# Allegro board com_v1_p3.brd (continued)
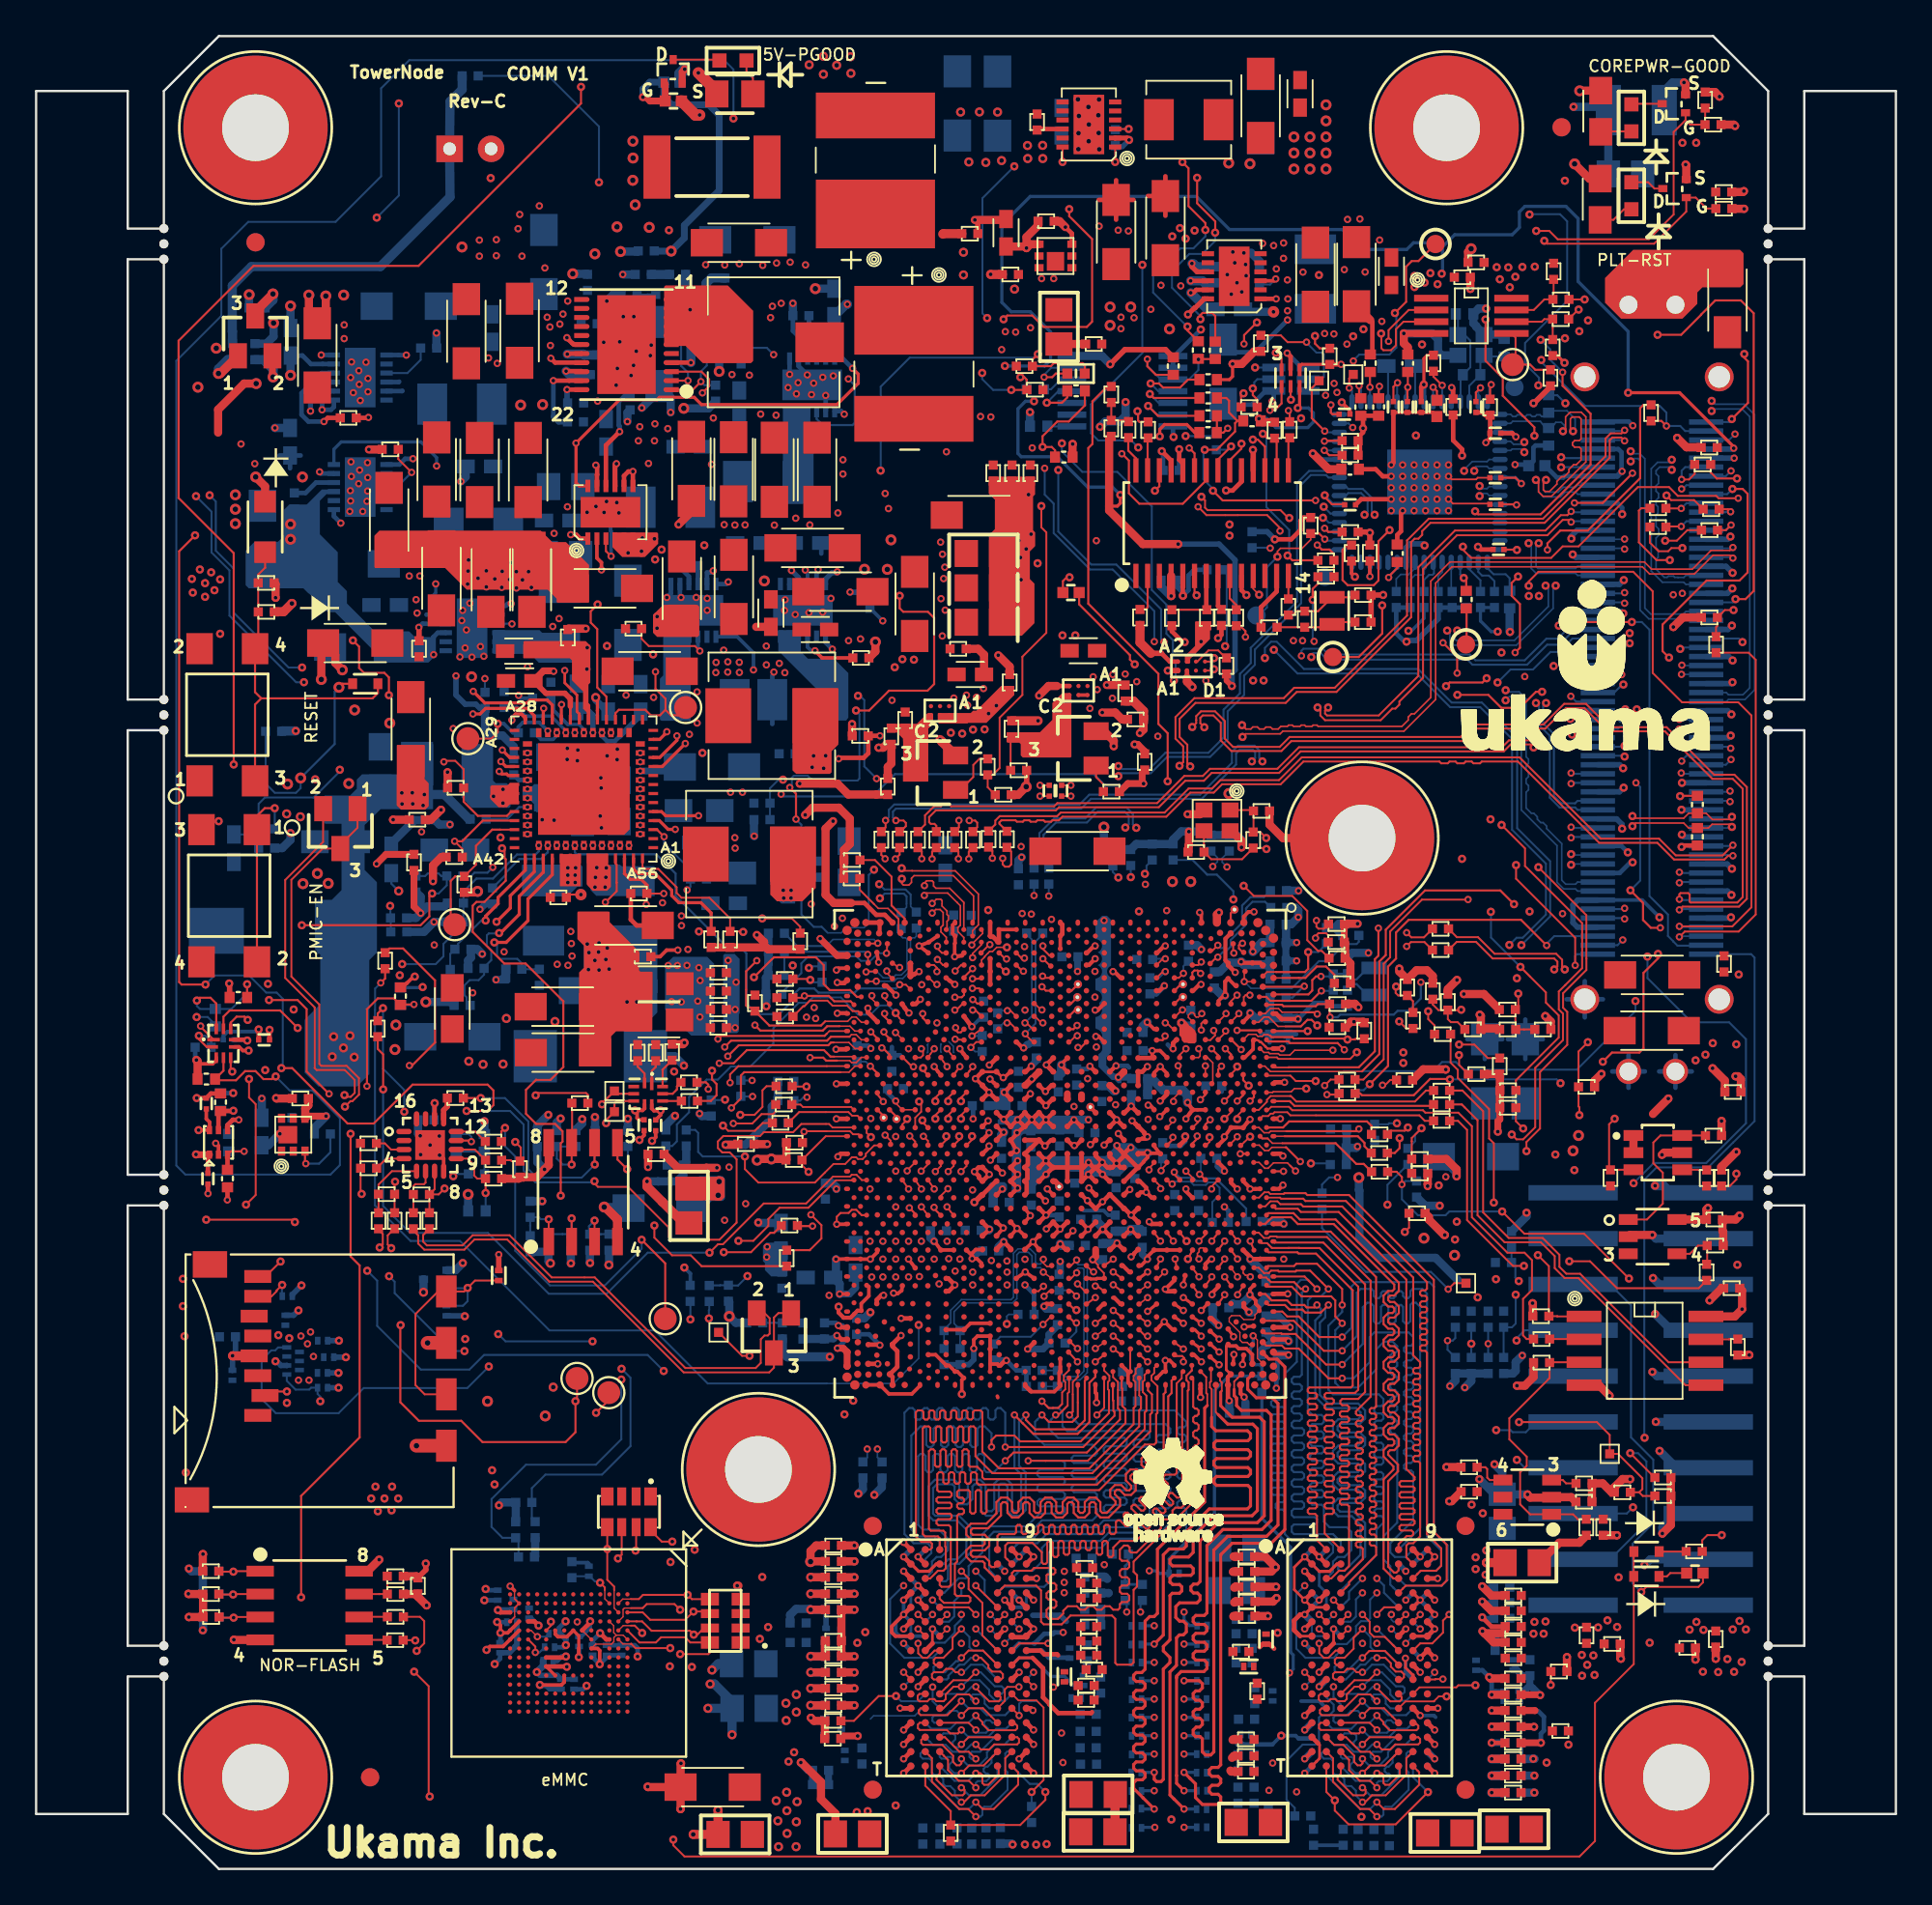
[diagram p0: board, top side]
## Nets (continued)
GND: C1A3.2(B[0]) C1A4.2(B[0]) C1A5.2(B[0]) C1B1.2(B[0]) C1B2.1(A[0]) C1B4.2(B[0]) C1B7.2(B[0]) C1D2.2(B[0]) C1L11.2(B[0]) C1N3.2(B[0]) C1N7.2(B[0]) C1N8.2(B[0]) C1N9.2(B[0]) C1N10.2(B[0]) C2A1.2(B[0]) C2A3.1(A[0]) C2A9.2(B[0]) C2A10.2(B[0]) C2A11.2(B[0]) C2A12.2(B[0]) C2A13.2(B[0]) C2A14.2(B[0]) C2A15.2(B[0]) C2A16.2(B[0]) C2A17.2(B[0]) C2B1.1(A[0]) C2B2.2(B[0]) C2B3.2(B[0]) C2B4.2(B[0]) C2B5.2(B[0]) C2B6.2(B[0]) C2B7.2(B[0]) C2B8.2(B[0]) C2B9.2(B[0]) C2B10.2(B[0]) C2B13.2(B[0]) C2B14.1(A[0]) C2B15.1(A[0]) C2B16.2(B[0]) C2B17.2(B[0]) C2B18.2(B[0]) C2B19.2(B[0]) C2B20.2(B[0]) C2B21.2(B[0]) C2B22.2(B[0]) C2B23.2(B[0]) C2B24.2(B[0]) C2B25.2(B[0]) C2B34.2(B[0]) C2B35.2(B[0]) C2B36.2(B[0]) C2B37.2(B[0]) C2B39.2(B[0]) C2B40.2(B[0]) C2B41.1(A[0]) C2B42.2(B[0]) C2B43.2(B[0]) C2B45.1(A[0]) C2B46.1(A[0]) C2B47.1(A[0]) C2B48.1(A[0]) C2B49.1(A[0]) C2B50.1(A[0]) C2B51.2(B[0]) C2B52.2(B[0]) C2B55.2(B[0]) C2B56.1(A[0]) C2C1.2(B[0]) C2C2.2(B[0]) C2C3.2(B[0]) C2C7.2(A[0]) C2C8.2(B[0]) C2C12.2(B[0]) C2L14.2(B[0]) C2L16.1(A[0]) C2M10.2(B[0]) C2M11.1(A[0]) C2M12.2(A[0]) C2M13.2(B[0]) C2M14.2(B[0]) C2M15.2(B[0]) C2M16.1(B[0]) C2M17.2(B[0]) C2M18.2(B[0]) C2M19.2(B[0]) C2M20.2(B[0]) C2M22.2(B[0]) C2M23.1(A[0]) C2N1.1(B[0]) C2N2.2(B[0]) C2N3.2(A[0]) C2N4.2(B[0]) C2N5.2(B[0]) C2N6.2(A[0]) C2N7.2(B[0]) C2N8.2(B[0]) C2N9.1(B[0]) C2N10.2(B[0]) C2N11.1(B[0]) C2N12.2(B[0]) C2N13.2(B[0]) C2N14.2(B[0]) C2N15.2(B[0]) C2N16.1(A[0]) C2N17.2(B[0]) C2N18.2(B[0]) C2N19.2(B[0]) C2N22.2(B[0]) C2N23.2(B[0]) C2N24.2(B[0]) C2N25.2(B[0]) C2N26.2(B[0]) C2N27.2(B[0]) C2N28.2(B[0]) C2N31.2(B[0]) C2N32.2(B[0]) C2N33.2(B[0]) C2N34.2(B[0]) C2N36.2(B[0]) C2N37.2(B[0]) C2N38.2(B[0]) C2N39.2(B[0]) C2N40.2(B[0]) C2N41.2(B[0]) C2N43.2(B[0]) C2N44.2(B[0]) C2N45.2(B[0]) C2N46.2(B[0]) C2N47.2(B[0]) C2P3.2(B[0]) C3A10.2(B[0]) C3A12.2(B[0]) C3A13.2(B[0]) C3A14.2(B[0]) C3A22.2(B[0]) C3A23.2(B[0]) C3A24.2(B[0]) C3A25.2(B[0]) C3A26.2(B[0]) C3A27.2(B[0]) C3A28.2(B[0]) C3B12.2(B[0]) C3B14.2(B[0]) C3B15.2(B[0]) C3B16.2(B[0]) C3B17.2(B[0]) C3B18.2(B[0]) C3B20.2(B[0]) C3B21.2(B[0]) C3B22.2(B[0]) C3B23.2(B[0]) C3B25.2(B[0]) C3B26.2(B[0]) C3B32.2(B[0]) C3B33.2(B[0]) C3B34.2(B[0]) C3B35.2(B[0]) C3B36.2(B[0]) C3C1.2(B[0]) C3L4.2(B[0]) C3L5.1(A[0]) C3L7.2(B[0]) C3L10.2(B[0]) C3L12.2(B[0]) C3L14.2(B[0]) C3L17.1(A[0]) C3L18.2(B[0]) C3L19.2(B[0]) C3L20.2(B[0]) C3L21.2(B[0]) C3L22.2(B[0]) C3L23.2(B[0]) C3M1.2(B[0]) C3M3.2(B[0]) C3M5.2(B[0]) C3M6.2(B[0]) C3M7.2(B[0]) C3M8.2(B[0]) C3M9.2(B[0]) C3M10.2(B[0]) C3M11.2(B[0]) C3M12.2(B[0]) C3M13.2(B[0]) C3M14.1(A[0]) C3M15.2(B[0]) C3M17.2(B[0]) C3M18.1(A[0]) C3M19.2(B[0]) C3M20.1(A[0]) C3M21.1(A[0]) C3M22.2(B[0]) C3M23.2(B[0]) C3M24.1(A[0]) C3M25.2(B[0]) C3M26.2(B[0]) C3M27.2(B[0]) C3M28.2(B[0]) C3M29.2(B[0]) C3M30.2(B[0]) C3M31.2(B[0]) C3M32.1(B[0]) C3M33.2(B[0]) C3M179.2(B[0]) C3M180.2(B[0]) C3M181.2(B[0]) C3N1.2(B[0]) C3N2.1(A[0]) C3N3.1(B[0]) C3N4.2(B[0]) C3N6.2(B[0]) C3N7.2(A[0]) C3N8.2(A[0]) C3N9.2(B[0]) C3N11.2(B[0]) C3N12.2(B[0]) C3N13.2(B[0]) C3N14.2(B[0]) C3N16.1(B[0]) C3N18.2(B[0]) C3N20.2(B[0]) C3N21.1(B[0]) C3N23.2(B[0]) C3N24.2(B[0]) C3N25.2(B[0]) C3N26.2(B[0]) C3N27.2(B[0]) C3N28.2(B[0]) C3N29.2(B[0]) C3N30.2(B[0]) C3N31.2(B[0]) C4.2 C4A10.2(B[0]) C4A11.2(B[0]) C4L4.1(A[0]) C4L5.1(A[0]) C4L6.1(A[0]) C4M2.2(B[0]) C4M6.1(A[0]) C4M7.2(B[0]) C4M9.2(B[0]) C4M10.1(A[0]) C4P5.2(B[0]) C4P10.2(B[0]) C4P18.1(A[0]) C4P19.2(B[0]) C4P21.2(B[0]) C4P24.2(B[0]) C4P25.2(B[0]) C5.2 C6.2 C7.2 C18.2 C27.2 C31.2 C34.2 C37.2 C39.2 C42.2 C69.2 C70.1 C91.2 C92.2 C129.2 C134.2 C139.1 C140.2 C151.2 C164.1 C165.1 C167.2 C168.2 C169.2 C170.2 C171.2 C172.2 C175.2 C176.2 C177.2 C180.2 C181.1 C182.2 C183.2 C184.2 C185.2 C186.2 C188.2 C189.2 C191.2 C202.1 C203.1 C208.2 C209.2 C210.2 C211.2 C212.2 C213.2 C220.2 C221.2 C222.2 C223.2 C224.1 C228.2 C230.2 C231.2 C232.2 C233.2 C234.2 C235.2 C236.2 C243.1 C244.1 C248.2 C249.2 C250.2 C252.2 C253.2 C256.2 C257.2 C258.2 C259.2 C262.2 C264.1 C265.2 C266.2 C267.2 C268.2 C269.2 C270.2 C271.2 C279.1 C280.1 C281.2 C282.2 C283.2 C284.2 C285.2 C286.2 C292.2 C293.2 C294.2 C295.2 C296.2 C297.2 C301.1 C308.2 C309.2 C310.2 C311.2 C313.2 C314.2 C315.2 C324.1 C325.1 C342.2 C343.2 C344.2 C345.2 C346.2 C347.2 C348.2 C349.2 C350.2 C351.2 C352.2 C1918.2(B[0]) C2034.2(B[0]) C2036.2(B[0]) C2037.2(B[0]) C2038.2(B[0]) C2039.2(B[0]) C2040.2(B[0]) C2130.2(B[0]) C2131.2(B[0]) C2132.2(B[0]) C2152.2(B[0]) C2158.2 C2159.2 C4662.2 C4745.2 C4746.2 C4747.2(B[0]) C4749.2 C4750.2 C4751.2 C4752.2 CN1.6(VSS) CN1.11(SHIELD1) CN1.12(SHIELD2) CN1.13(SHIELD3) CN1.14(SHIELD4) D1.3 J20.4 J20.7 J20.10 J20.13 J20.16 J20.19 J20.22 J20.25 J20.28 J20.39 J20.42 J20.45 J20.48 J20.51 J20.54 J20.57 J20.60 J20.65 J20.68 J20.71 J20.74 J20.77 J20.80 J20.85 J20.88 J20.91 J20.94 J20.97 J20.101 J20.104 J20.107 J20.G1 J20.G2 J20.G3 J20.G4 J3321.4 J3321.6 J3321.8 J3321.10 J3321.12 J3321.14 J3321.16 J3321.18 J3321.20 MH1.1 MH2.1 MH3.1 MH4.1 MH5.1 MH6.1 Q2B1.2(E) Q2N1.1(S1) Q2N1.4(S2) Q3B1.2(E) Q135.S Q137.S Q138.S R1A7.2(B[0]) R1A8.2(B[0]) R1A9.2(B[0]) R1A10.2(B[0]) R1A11.2(B[0]) R1A12.2(B[0]) R1A15.2(B[0]) R1B2.2(B[0]) R2A15.2(B[0]) R2B1.2(B[0]) R2B2.2(B[0]) R2B15.2(B[0]) R2B19.2(B[0]) R2B43.2(B[0]) R2B44.2(B[0]) R2B45.2(B[0]) R2C25.2(B[0]) R2C26.2(B[0]) R2L12.2(B[0]) R2M24.2(B[0]) R2M30.2(B[0]) R2M31.2(B[0]) R2M32.2(B[0]) R2M33.2(B[0]) R2M34.2(B[0]) R2M38.2(B[0]) R2M40.2(B[0]) R2M41.2(B[0]) R2M45.2(B[0]) R2M58.2(B[0]) R2M59.2(B[0]) R2N5.2(B[0]) R2N7.1(A[0]) R2N12.2(B[0]) R2N14.2(B[0]) R2N15.2(B[0]) R2N16.2(B[0]) R2N18.2(B[0]) R2N19.2(B[0]) R3B8.1(A[0]) R3B10.1(A[0]) R3B11.2(B[0]) R3B12.1(A[0]) R3B13.1(A[0]) R3B14.2(A[0]) R3B15.2(B[0]) R3C5.2(B[0]) R3C17.2(B[0]) R3L8.2(B[0]) R3L11.2(B[0]) R3L13.2(B[0]) R3L14.2(B[0]) R3L15.2(B[0]) R3L16.2(B[0]) R3M1.2(B[0]) R3M4.2(B[0]) R3M7.2(B[0]) R3M11.2(B[0]) R3N6.1(A[0]) R3N15.2(B[0]) R3N16.2(B[0]) R3N20.1(A[0]) R3N25.2(B[0]) R3N28.2(B[0]) R3N29.2(B[0]) R3N30.2(B[0]) R4A12.2(B[0]) R4A13.2(B[0]) R4L2.2(B[0]) R4M6.2(B[0]) R4M17.2(B[0]) R4M20.2(B[0]) R4M21.2(B[0]) R4M24.2(B[0]) R4P6.2(B[0]) R185.1 R211.2 R267.2 R268.1 R296.2 R298.1 R301.2 R346.2 R350.1 R375.2 R421.2 R423.1 R476.2 R481.1 R546.2 R548.1 R562.2 R614.2 R616.1 R640.2 R642.1 R647.2 R1355.2 R1356.2 R1357.2 R1359.2 R10552.2(B[0]) R10557.2(B[0]) R10610.1(A[0]) R10782.1(A[0]) R10788.1(A[0]) R10805.1(A[0]) R11024.2(B[0]) R11155.1(A[0]) R11162.2(B[0]) R11163.2(B[0]) R11221.2(B[0]) R11224.2(B[0]) R11263.2(B[0]) R11266.2(B[0]) R11267.2(B[0]) R11382.1(A[0]) R11440.2 R11441.1 R11494.2 R11495.2 R11498.1 R11500.1 R11504.2 R11506.1 S2.1 S2.2 S3.3 S3.4 U1D1.2(SGND) U1D1.7(PGND1) U1D1.8(PGND2) U1D1.13(EPAD) U2A1.4(GND) U2A2.23(PWRPAD_GND) U2B1.2(SGND) U2B1.7(PGND1) U2B1.8(PGND2) U2B1.13(EPAD) U2B2.C1(GND) U2B3.101(EPAD) U2M2.65(GND) U3.A6(VSS5) U3.C4(VSSQ1) U3.E7(VSS1) U3.G5(VSS2) U3.H10(VSS3) U3.J5(VSS6) U3.K8(VSS4) U3.N2(VSSQ2) U3.N5(VSSQ3) U3.P4(VSSQ4) U3.P6(VSSQ5) U3A3.2(SGND) U3A3.7(PGND1) U3A3.8(PGND2) U3A3.13(EPAD) U3A5.4(GND1) U3A5.11(GND2) U3A5.18(GND3) U3A5.25(GND4) U3A6.2(GND) U3A7.B1(GND) U3B1.C1(GND) U3C1.A3(VSS_A3) U3C1.A5(VSS_A5) U3C1.A6(VSS_A6) U3C1.A11(VSS_A11) U3C1.A15(VSS_A15) U3C1.A19(VSS_A19) U3C1.A23(VSS_A23) U3C1.A27(VSS_A27) U3C1.A31(VSS_A31) U3C1.A35(VSS_A35) U3C1.A39(VSS_A39) U3C1.A43(VSS_A43) U3C1.A47(VSS_A47) U3C1.A49(VSS_A49) U3C1.A51(VSS_A51) U3C1.A52(VSS_A52) U3C1.AA1(VSS_AA1) U3C1.AA3(VSS_AA3) U3C1.AA16(VSS_AA16) U3C1.AA19(VSS_AA19) U3C1.AA21(VSS_AA21) U3C1.AA32(VSS_AA32) U3C1.AA35(VSS_AA35) U3C1.AA38(VSS_AA38) U3C1.AA53(VSS_AA53) U3C1.AB4(VSS_AB4) U3C1.AB6(VSS_AB6) U3C1.AB10(VSS_AB10) U3C1.AB41(VSS_AB41) U3C1.AB45(VSS_AB45) U3C1.AB47(VSS_AB47) U3C1.AB48(VSS_AB48) U3C1.AB50(VSS_AB50) U3C1.AB51(VSS_AB51) U3C1.AC16(VSS_AC16) U3C1.AC18(VSS_AC18) U3C1.AC19(VSS_AC19) U3C1.AC21(VSS_AC21) U3C1.AC25(VSS_AC25) U3C1.AC33(VSS_AC33) U3C1.AC35(VSS_AC35) U3C1.AC36(VSS_AC36) U3C1.AC38(VSS_AC38) U3C1.AD7(VSS_AD7) U3C1.AD19(VSS_AD19) U3C1.AD21(VSS_AD21) U3C1.AD25(VSS_AD25) U3C1.AD32(VSS_AD32) U3C1.AD33(VSS_AD33) U3C1.AD47(VSS_AD47) U3C1.AE1(VSS_AE1) U3C1.AE3(VSS_AE3) U3C1.AE4(VSS_AE4) U3C1.AE6(VSS_AE6) U3C1.AE8(VSS_AE8) U3C1.AE9(VSS_AE9) U3C1.AE11(VSS_AE11) U3C1.AE12(VSS_AE12) U3C1.AE14(VSS_AE14) U3C1.AE40(VSS_AE40) U3C1.AE42(VSS_AE42) U3C1.AE43(VSS_AE43) U3C1.AE45(VSS_AE45) U3C1.AE46(VSS_AE46) U3C1.AE48(VSS_AE48) U3C1.AE50(VSS_AE50) U3C1.AE51(VSS_AE51) U3C1.AE53(VSS_AE53) U3C1.AF10(VSS_AF10) U3C1.AF12(VSS_AF12) U3C1.AF25(VSS_AF25) U3C1.AF32(VSS_AF32) U3C1.AF47(VSS_AF47) U3C1.AG16(VSS_AG16) U3C1.AG25(VSS_AG25) U3C1.AG36(VSS_AG36) U3C1.AG38(VSS_AG38) U3C1.AH2(RSVD_GND[3]) U3C1.AH3(RSVD_GND[2]) U3C1.AH4(VSS_AH4) U3C1.AH6(VSS_AH6) U3C1.AH7(VSS_AH7) U3C1.AH9(VSS_AH9) U3C1.AH41(VSS_AH41) U3C1.AH45(VSS_AH45) U3C1.AH47(VSS_AH47) U3C1.AH48(VSS_AH48) U3C1.AH50(VSS_AH50) U3C1.AH51(VSS_AH51) U3C1.AJ1(VSS_AJ1) U3C1.AJ3(VSS_AJ3) U3C1.AJ16(VSS_AJ16) U3C1.AJ21(VSS_AJ21) U3C1.AJ25(VSS_AJ25) U3C1.AJ27(VSS_AJ27) U3C1.AJ29(VSS_AJ29) U3C1.AJ30(VSS_AJ30) U3C1.AJ32(VSS_AJ32) U3C1.AJ33(VSS_AJ33) U3C1.AJ35(VSS_AJ35) U3C1.AJ38(VSS_AJ38) U3C1.AJ53(VSS_AJ53) U3C1.AK2(DDI1_AUXN) U3C1.AK3(DDI1_AUXP) U3C1.AK10(VSS_AK10) U3C1.AK14(VSS_AK14) U3C1.AK16(VSS_AK16) U3C1.AK33(VSS_AK33) U3C1.AK41(VSS_AK41) U3C1.AK44(VSS_AK44) U3C1.AM2(RSVD_GND[1]) U3C1.AM3(RSVD_GND[0]) U3C1.AM7(VSS_AM7) U3C1.AM12(VSS_AM12) U3C1.AM19(VSS_AM19) U3C1.AM24(VSS_AM24) U3C1.AM25(VSS_AM25) U3C1.AM29(VSS_AM29) U3C1.AM33(VSS_AM33) U3C1.AM35(VSS_AM35) U3C1.AM36(VSS_AM36) U3C1.AM40(VSS_AM40) U3C1.AM44(VSS_AM44) U3C1.AM51(VSS_AM51) U3C1.AN1(VSS_AN1) U3C1.AN3(VSS_AN3) U3C1.AN5(VSS_AN5) U3C1.AN6(VSS_AN6) U3C1.AN8(VSS_AN8) U3C1.AN9(VSS_AN9) U3C1.AN11(VSS_AN11) U3C1.AN12(VSS_AN12) U3C1.AN14(VSS_AN14) U3C1.AN16(VSSA) U3C1.AN22(VSS_AN22) U3C1.AN33(VSS_AN33) U3C1.AN35(VSS_AN35) U3C1.AN36(VSS_AN36) U3C1.AN38(VSS_AN38) U3C1.AN40(VSS_AN40) U3C1.AN42(VSS_AN42) U3C1.AN43(VSS_AN43) U3C1.AN45(VSS_AN45) U3C1.AN46(VSS_AN46) U3C1.AN48(VSS_AN48) U3C1.AN49(VSS_AN49) U3C1.AN51(VSS_AN51) U3C1.AN53(VSS_AN53) U3C1.AP40(VSS_AP40) U3C1.AT4(VSS_AT4) U3C1.AT12(VSS_AT12) U3C1.AT16(VSS_AT16) U3C1.AT19(VSS_AT19) U3C1.AT24(VSS_AT24) U3C1.AT27(VSS_AT27) U3C1.AT30(VSS_AT30) U3C1.AT35(VSS_AT35) U3C1.AT38(VSS_AT38) U3C1.AT47(VSS_AT47) U3C1.AT52(VSS_AT52) U3C1.AU1(VSS_AU1) U3C1.AU3(VSS_AU3) U3C1.AU24(VSS_AU24) U3C1.AU30(VSS_AU30) U3C1.AU38(VSS_AU38) U3C1.AU51(VSS_AU51) U3C1.AV7(VSS_AV7) U3C1.AV12(VSS_AV12) U3C1.AV13(VSS_AV13) U3C1.AV14(VSS_AV14) U3C1.AV18(VSS_AV18) U3C1.AV19(VSS_AV19) U3C1.AV24(VSS_AV24) U3C1.AV27(VSS_AV27) U3C1.AV30(VSS_AV30) U3C1.AV35(VSS_AV35) U3C1.AV38(VSS_AV38) U3C1.AV47(VSS_AV47) U3C1.AV51(VSS_AV51) U3C1.AW3(VSS_AW3) U3C1.AW13(VSS_AW13) U3C1.AW19(VSS_AW19) U3C1.AW27(VSS_AW27) U3C1.AW35(VSS_AW35) U3C1.AY3(VGA_IRTN) U3C1.AY4(VSS_AY4) U3C1.AY9(VSS_AY9) U3C1.AY10(VSS_AY10) U3C1.AY22(VSS_AY22) U3C1.AY32(VSS_AY32) U3C1.AY36(VSS_AY36) U3C1.AY50(VSS_AY50) U3C1.B2(VSS_B2) U3C1.B52(VSS_B52) U3C1.B53(VSS_B53) U3C1.BA14(VSS_BA14) U3C1.BA19(VSS_BA19) U3C1.BA22(VSS_BA22) U3C1.BA27(VSS_BA27) U3C1.BA32(VSS_BA32) U3C1.BA35(VSS_BA35) U3C1.BA40(VSS_BA40) U3C1.BA53(VSS_BA53) U3C1.BB5(RSVD_GND[6]) U3C1.BB7(RSVD_GND[7]) U3C1.BB10(RSVD_GND[4]) U3C1.BB19(VSS_BB19) U3C1.BB27(VSS_BB27) U3C1.BB35(VSS_BB35) U3C1.BC10(RSVD_GND[5]) U3C1.BC20(VSS_BC20) U3C1.BC22(VSS_BC22) U3C1.BC26(VSS_BC26) U3C1.BC28(VSS_BC28) U3C1.BC32(VSS_BC32) U3C1.BC34(VSS_BC34) U3C1.BC42(VSS_BC42) U3C1.BD19(VSS_BD19) U3C1.BD24(VSS_BD24) U3C1.BD27(VSS_BD27) U3C1.BD30(VSS_BD30) U3C1.BD35(VSS_BD35) U3C1.BE1(VSS_BE1) U3C1.BE2(VSS_BE2) U3C1.BE8(VSS_BE8) U3C1.BE19(VSS_BE19) U3C1.BE35(VSS_BE35) U3C1.BE53(VSS_BE53) U3C1.BF4(VSS_BF4) U3C1.BF12(VSS_BF12) U3C1.BF16(VSS_BF16) U3C1.BF24(VSS_BF24) U3C1.BF30(VSS_BF30) U3C1.BF36(VSS_BF36) U3C1.BF38(VSS_BF38) U3C1.BG1(VSS_BG1) U3C1.BG31(VSS_BG31) U3C1.BG34(VSS_BG34) U3C1.BG39(VSS_BG39) U3C1.BG42(VSS_BG42) U3C1.BG45(VSS_BG45) U3C1.BG49(VSS_BG49) U3C1.BG53(VSS_BG53) U3C1.BH1(VSS_BH1) U3C1.BH2(VSS_BH2) U3C1.BH52(VSS_BH52) U3C1.BH53(VSS_BH53) U3C1.BJ2(VSS_BJ2) U3C1.BJ3(VSS_BJ3) U3C1.BJ5(VSS_BJ5) U3C1.BJ7(VSS_BJ7) U3C1.BJ11(VSS_BJ11) U3C1.BJ15(VSS_BJ15) U3C1.BJ19(VSS_BJ19) U3C1.BJ23(VSS_BJ23) U3C1.BJ27(VSS_BJ27) U3C1.BJ31(VSS_BJ31) U3C1.BJ35(VSS_BJ35) U3C1.BJ39(VSS_BJ39) U3C1.BJ43(VSS_BJ43) U3C1.BJ47(VSS_BJ47) U3C1.BJ49(VSS_BJ49) U3C1.BJ51(VSS_BJ51) U3C1.BJ52(VSS_BJ52) U3C1.C1(VSS_C1) U3C1.C14(VSS_C14) U3C1.C31(VSS_C31) U3C1.C34(VSS_C34) U3C1.C39(VSS_C39) U3C1.C42(VSS_C42) U3C1.C45(VSS_C45) U3C1.C49(VSS_C49) U3C1.C53(VSS_C53) U3C1.D12(VSS_D12) U3C1.D16(VSS_D16) U3C1.D24(VSS_D24) U3C1.D30(VSS_D30) U3C1.D36(VSS_D36) U3C1.D38(VSS_D38) U3C1.E1(VSS_E1) U3C1.E8(VSS_E8) U3C1.E19(VSS_E19) U3C1.E35(VSS_E35) U3C1.E53(VSS_E53) U3C1.F2(VSS_F2) U3C1.F5(VSS_F5) U3C1.F7(VSS_F7) U3C1.F19(VSS_F19) U3C1.F24(VSS_F24) U3C1.F27(VSS_F27) U3C1.F30(VSS_F30) U3C1.F35(VSS_F35) U3C1.G10(VSS_G10) U3C1.G20(VSS_G20) U3C1.G22(VSS_G22) U3C1.G26(VSS_G26) U3C1.G28(VSS_G28) U3C1.G32(VSS_G32) U3C1.G34(VSS_G34) U3C1.G42(VSS_G42) U3C1.H19(VSS_H19) U3C1.H27(VSS_H27) U3C1.H35(VSS_H35) U3C1.J1(VSS_J1) U3C1.J16(VSS_J16) U3C1.J19(VSS_J19) U3C1.J22(VSS_J22) U3C1.J27(VSS_J27) U3C1.J32(VSS_J32) U3C1.J35(VSS_J35) U3C1.J40(VSS_J40) U3C1.J53(VSS_J53) U3C1.K4(VSS_K4) U3C1.K9(VSS_K9) U3C1.K14(VSS_K14) U3C1.K22(VSS_K22) U3C1.K32(VSS_K32) U3C1.K36(VSS_K36) U3C1.K50(VSS_K50) U3C1.L13(VSS_L13) U3C1.L19(VSS_L19) U3C1.L27(VSS_L27) U3C1.L35(VSS_L35) U3C1.M19(VSS_M19) U3C1.M26(VSS_M26) U3C1.M27(VSS_M27) U3C1.M28(VSS_M28) U3C1.M34(VSS_M34) U3C1.M35(VSS_M35) U3C1.M38(VSS_M38) U3C1.M47(VSS_M47) U3C1.M51(VSS_M51) U3C1.N1(VSS_N1) U3C1.N16(VSS_N16) U3C1.N38(VSS_N38) U3C1.N51(VSS_N51) U3C1.P4(VSS_P4) U3C1.P9(VSS_P9) U3C1.P13(VSS_P13) U3C1.P16(VSS_P16) U3C1.P19(VSS_P19) U3C1.P20(VSS_P20) U3C1.P24(VSS_P24) U3C1.P32(VSS_P32) U3C1.P35(VSS_P35) U3C1.P38(VSS_P38) U3C1.P47(VSS_P47) U3C1.P52(VSS_P52) U3C1.T40(VSS_T40) U3C1.U1(VSS_U1) U3C1.U3(VSS_U3) U3C1.U5(VSS_U5) U3C1.U6(VSS_U6) U3C1.U8(VSS_U8) U3C1.U9(VSS_U9) U3C1.U11(VSS_U11) U3C1.U12(VSS_U12) U3C1.U14(VSS_U14) U3C1.U16(USB_VSSA) U3C1.U21(VSS_U21) U3C1.U30(VSS_U30) U3C1.U32(VSS_U32) U3C1.U40(VSS_U40) U3C1.U42(VSS_U42) U3C1.U43(VSS_U43) U3C1.U45(VSS_U45) U3C1.U46(VSS_U46) U3C1.U48(VSS_U48) U3C1.U49(VSS_U49) U3C1.U51(VSS_U51) U3C1.U53(VSS_U53) U3C1.V7(VSS_V7) U3C1.V12(VSS_V12) U3C1.V16(VSS_V16) U3C1.V19(VSS_V19) U3C1.V21(VSS_V21) U3C1.V35(VSS_V35) U3C1.V40(VSS_V40) U3C1.V44(VSS_V44) U3C1.V51(VSS_V51) U3C1.Y7(VSS_Y7) U3C1.Y9(VSS_Y9) U3C1.Y10(VSS_Y10) U3C1.Y14(VSS_Y14) U3C1.Y16(VSS_Y16) U3C1.Y21(VSS_Y21) U3C1.Y25(VSS_Y25) U3C1.Y33(VSS_Y33) U3C1.Y41(VSS_Y41) U3C1.Y44(VSS_Y44) U3L1.2(SGND) U3L1.7(PGND1) U3L1.8(PGND2) U3L1.13(EPAD) U3M1.2(SGND) U3M1.7(PGND1) U3M1.8(PGND2) U3M1.13(EPAD) U3M2.2(SGND) U3M2.7(PGND1) U3M2.8(PGND2) U3M2.13(EPAD) U4C1.4(GND) U4L1.2(SGND) U4L1.7(PGND1) U4L1.8(PGND2) U4L1.13(EPAD) U4M1.2(SGND) U4M1.7(PGND1) U4M1.8(PGND2) U4M1.13(EPAD) U4M3.2(SGND) U4M3.7(PGND1) U4M3.8(PGND2) U4M3.13(EPAD) U11.2(GND) U16.2(GND) U24.A9(VSS7) U24.B1(VSSQ1) U24.B3(VSS1) U24.B9(VSSQ5) U24.D1(VSSQ2) U24.D8(VSSQ6) U24.E1(VSS2) U24.E2(VSSQ3) U24.E8(VSSQ7) U24.F9(VSSQ8) U24.G1(VSSQ4) U24.G8(VSS8) U24.G9(VSSQ9) U24.J2(VSS3) U24.J8(VSS9) U24.M1(VSS4) U24.M9(VSS10) U24.P1(VSS5) U24.P9(VSS11) U24.T1(VSS6) U24.T9(VSS12) U27.A9(VSS7) U27.B1(VSSQ1) U27.B3(VSS1) U27.B9(VSSQ5) U27.D1(VSSQ2) U27.D8(VSSQ6) U27.E1(VSS2) U27.E2(VSSQ3) U27.E8(VSSQ7) U27.F9(VSSQ8) U27.G1(VSSQ4) U27.G8(VSS8) U27.G9(VSSQ9) U27.J2(VSS3) U27.J8(VSS9) U27.M1(VSS4) U27.M9(VSS10) U27.P1(VSS5) U27.P9(VSS11) U27.T1(VSS6) U27.T9(VSS12) U30.A9(VSS7) U30.B1(VSSQ1) U30.B3(VSS1) U30.B9(VSSQ5) U30.D1(VSSQ2) U30.D8(VSSQ6) U30.E1(VSS2) U30.E2(VSSQ3) U30.E8(VSSQ7) U30.F9(VSSQ8) U30.G1(VSSQ4) U30.G8(VSS8) U30.G9(VSSQ9) U30.J2(VSS3) U30.J8(VSS9) U30.M1(VSS4) U30.M9(VSS10) U30.P1(VSS5) U30.P9(VSS11) U30.T1(VSS6) U30.T9(VSS12) U37.A9(VSS7) U37.B1(VSSQ1) U37.B3(VSS1) U37.B9(VSSQ5) U37.D1(VSSQ2) U37.D8(VSSQ6) U37.E1(VSS2) U37.E2(VSSQ3) U37.E8(VSSQ7) U37.F9(VSSQ8) U37.G1(VSSQ4) U37.G8(VSS8) U37.G9(VSSQ9) U37.J2(VSS3) U37.J8(VSS9) U37.M1(VSS4) U37.M9(VSS10) U37.P1(VSS5) U37.P9(VSS11) U37.T1(VSS6) U37.T9(VSS12) U87.1(A0) U87.2(A1) U87.7(GND) U253.2(GND) U304.4(VSS) U7157.8(GND) U7157.17(PAD) U7177.3(GND) U9002.1(IN1) U9002.2(GND) U9003.4(VSS) U9004.3(GND) U9005.2(GND) Y2M3.2(C) Y2M3.4(B) Y3B2.2(CASE2) Y3B2.4(CASE1)
PVIN_CBYP_V1P8_A: C4P23.2(B[0]) U1D1.10(CBYP)
PVIN_CBYP_V3P3_A: C2L15.2(B[0]) U3A3.10(CBYP)
PVIN_CBYP_V3P3_A_2: C2B12.2(B[0]) U3M1.10(CBYP)
PVIN_CBYP_VCC1: C3L15.2(B[0]) U2B1.10(CBYP)
PVIN_CBYP_VCC2: C3L6.2(B[0]) U3L1.10(CBYP)
PVIN_CBYP_VDDQ1: C2B11.2(B[0]) U3M2.10(CBYP)
PVIN_CBYP_VNN1: C1A2.2(B[0]) U4L1.10(CBYP)
PVIN_CBYP_VNN2: C1B3.2(B[0]) U4M3.10(CBYP)
PVIN_CBYP_VNN3: C4M3.2(B[0]) U4M1.10(CBYP)
SV1_JTAG_TCK: R2M42.1(A[0]) TP57.1(TP) U2M2.19(JTAG_CLK)
SV1_JTAG_TMS: R2M48.1(A[0]) TP59.1(TP) U2M2.18(JTAG_TMS)
SV1_SV2_JTAG_TDO: R11280.1(A[0]) TP56.1(TP)
V1P0_A: C2B23.1(A[0]) C2M13.1(A[0]) C2M14.1(A[0]) C2M17.1(A[0]) C2M18.1(A[0]) C2M19.1(A[0]) C2N10.1(A[0]) C2N12.1(A[0]) C3B17.1(A[0]) C3M19.1(A[0]) L2B1.2(INB) R2M36.2(B[0]) U2B2.A2(VIN1) U2B2.B2(VIN2) U2B3.B8(V1P0A_FB) U3B1.A2(VIN1) U3B1.B2(VIN2) U3C1.B6(UNCORE_V1P0_G3_B6) U3C1.C3(USB3_V1P0_G3_C3) U3C1.C5(UNCORE_V1P0_G3_C5) U3C1.U22(UNCORE_V1P0_G3_U22) U3C1.V22(UNCORE_V1P0_G3_V22) U3C1.Y19(USB3_V1P0_G3_Y19)
V1P0_S: C2B18.1(A[0]) C2B21.1(A[0]) C2M12.1(B[0]) C2N2.1(A[0]) C2N3.1(B[0]) C2N6.1(B[0]) C3M29.1(A[0]) C3M31.1(A[0]) C3N2.2(B[0]) C3N7.1(B[0]) C3N8.1(B[0]) C3N13.1(A[0]) R1B19.1(A[0]) R2B25.1(A[0]) R2B27.1(A[0]) R2B29.1(A[0]) R2M39.2(B[0]) U2B2.A1(VOUT1) U2B2.B1(VOUT2) U3C1.AF16(UNCORE_V1P0_S3_AF16) U3C1.AF18(UNCORE_V1P0_S3_AF18) U3C1.AK18(PCIE_V1P0_S3_AK18) U3C1.AM18(PCIE_V1P0_S3_AM18) U3C1.AM21(PCIE_V1P0_S3_AM21) U3C1.AN18(PCIE_SATA_V1P0_S3) U3C1.AN19(SATA_V1P0_S3) U3C1.AN21(PCIE_V1P0_S3_AN21) U3C1.AN25(GPIO_V1P0_S3) U3C1.BJ6(VGA_V1P0_S3) U3C1.G1(USB3DEV_V1P0_S3_G1) U3C1.M14(USB_V1P0_S3_M14) U3C1.U18(USB_V1P0_S3_U18) U3C1.U19(USB_V1P0_S3_U19) U3C1.V32(SVID_V1P0_S3) U3C1.Y18(USB3DEV_V1P0_S3_Y18)
V1P0_SX: C2C7.1(B[0]) C2C8.1(A[0]) C2N7.1(A[0]) C2N26.1(A[0]) C3B12.1(A[0]) C3B15.1(A[0]) C3N9.1(A[0]) C3N11.1(A[0]) C3N23.1(A[0]) C3N24.1(A[0]) C3N25.1(A[0]) C3N26.1(A[0]) C3N28.1(A[0]) C3N29.1(A[0]) U3B1.A1(VOUT1) U3B1.B1(VOUT2) U3C1.AA36(DRAM_V1P0_S3_AA36) U3C1.AD35(DRAM_V1P0_S3_AD35) U3C1.AF21(UNCORE_V1P0_S3_AF21) U3C1.AF35(DRAM_V1P0_S3_AF35) U3C1.AF36(DRAM_V1P0_S3_AF36) U3C1.AG21(UNCORE_V1P0_S3_AG21) U3C1.AJ18(DDI_V1P0_S3_AJ18) U3C1.AJ36(DRAM_V1P0_S3_AJ36) U3C1.AK19(DDI_V1P0_S3_AK19) U3C1.AK21(DDI_V1P0_S3_AK21) U3C1.AK35(DRAM_V1P0_S3_AK35) U3C1.AK36(DRAM_V1P0_S3_AK36) U3C1.AM16(DDI_V1P0_S3_AM16) U3C1.AN29(UNCORE_V1P0_S3_AN29) U3C1.AN30(UNCORE_V1P0_S3_AN30) U3C1.V24(UNCORE_V1P0_S3_V24) U3C1.Y22(UNCORE_V1P0_S3_Y22) U3C1.Y24(UNCORE_V1P0_S3_Y24) U3C1.Y35(DRAM_V1P0_S3_Y35) U3C1.Y36(DRAM_V1P0_S3_Y36)
V1P0S_EN: R2B10.1(A[0]) R2B12.2(B[0]) U2B3.A4(V1P0S_EN)
V1P0SX_EN: R3B3.2(B[0]) R3B4.1(A[0]) U2B3.A5(V1P0SX_EN)
V1P2_A: C2N9.2(A[0]) C3M6.1(A[0]) U2B3.A22(V1P2A) U3C1.V18(USB_HSIC_V1P24_G3)
V1P2_S: C2N11.2(A[0]) C3M7.1(A[0]) U2B3.B17(V1P2S) U3C1.AD16(MIPI_V1P24_S3_AD16) U3C1.AD18(MIPI_V1P24_S3_AD18)
V1P5_LAN: C3B16.1(A[0]) C3B23.1(A[0]) C3B26.1(A[0]) C3B35.1(A[0]) C2131.1(A[0]) R11276.2(B[0]) R11277.2(B[0]) R11278.2(B[0]) R11279.2(B[0]) U2M2.39(VDD1P5_OUT) U2M2.47(VDD1P5_47) U2M2.56(VDD1P5_56)
V1P05_S: C2N22.1(A[0]) C2N23.1(A[0]) C2N24.1(A[0]) C3M27.1(A[0]) C3M179.1(A[0]) C3M180.1(A[0]) L2B2.2(INB) U2B3.B4(V1P05S_FB) U3C1.AA33(CORE_V1P05_S3_AA33) U3C1.AC32(CORE_V1P05_S3_AC32) U3C1.AF33(CORE_V1P05_S3_AF33) U3C1.AG33(CORE_V1P05_S3_AG33) U3C1.AG35(CORE_V1P05_S3_AG35) U3C1.U33(CORE_V1P05_S3_U33) U3C1.U35(CORE_V1P05_S3_U35) U3C1.V33(CORE_V1P05_S3_V33) U3C1.Y32(CORE_V1P05_S3_Y32)
V1P5_S: C3M8.1(A[0]) C3N21.2(A[0]) U2B3.B15(V1P5S) U3C1.AM32(HDA_LPE_V1P5V1P8_S3)
V1P8_A: C1D2.1(A[0]) C1N3.1(A[0]) C1N9.1(A[0]) C1N10.1(A[0]) C2B50.2(B[0]) C2N8.1(A[0]) C2N13.1(A[0]) C2N16.2(B[0]) C3M17.1(A[0]) C3M181.1(A[0]) C4P5.1(A[0]) C4P10.1(A[0]) C4P25.1(A[0]) C70.2 C2037.1(A[0]) C2038.1(A[0]) L1D1.2(INB) Q1D1.4(S) R1N4.2(A[0]) R1N17.2(A[0]) R1P28.1(A[0]) R1P29.1(A[0]) R2B4.1(A[0]) R2B38.1(A[0]) R2B39.1(A[0]) R2M44.1(A[0]) R2N1.1(A[0]) R3C8.2(B[0]) R3C14.1(A[0]) R3C18.1(A[0]) R3C19.2(B[0]) R3C20.2(B[0]) R3M5.1(A[0]) R4M14.1(A[0]) R4M18.1(A[0]) R4M19.1(A[0]) R4M22.1(A[0]) R4M23.1(A[0]) R4P11.1(A[0]) R55.2 R10378.1(A[0]) R10803.1(A[0]) R11023.1(A[0]) R11274.1(A[0]) R11486.1 U2B3.A20(VIN_1P8V) U2B3.B9(V1P8A_FB) U3C1.AA18(USB_ULPI_V1P8_G3) U3C1.N20(USB_V1P8_G3) U3C1.U24(UNCORE_V1P8_G3) U3C1.U25(PMC_V1P8_G3) U3C1.V25(PCU_V1P8_G3) U4C1.8(VCC) U253.5(SENSE) U253.6(VDD) U7177.7(VCCA)
V1P8_A_DIF: U1D1.1(DIF) U2B3.A27(V1P8A_DIF)
V1P8_A_DIO: U1D1.12(DIO) U2B3.A28(V1P8A_DIO)
V1P8_IFSUP: C1B7.1(A[0]) C4M9.1(A[0]) R1P30.1(A[0]) R10806.2(B[0]) R11144.1(A[0]) U2B3.B20(V1P8_IFSUP) U2B3.B27(VDD0GPIO)
V1P8_S: C1N8.1(A[0]) C2A3.2(B[0]) C2N38.1(A[0]) C2N40.1(A[0]) C2N41.1(A[0]) C3N20.1(A[0]) C4.1 C4P21.1(A[0]) C4P24.1(A[0]) C5.1 C6.1 C31.1 C91.1 C92.1 C134.1 C139.2 C151.1 C2158.1 C2159.1 C4751.1 D10089.K J20.116 J20.117 NR4.1(N1) NR4.2(N2) NR4.3(N3) NR4.4(N4) NR5.1(N1) NR5.2(N2) NR5.3(N3) NR5.4(N4) Q1D1.1(D1) Q1D1.2(D2) Q1D1.5(D3) Q1D1.6(D4) Q1D1.7(BOT_D) R1A1.1(A[0]) R1A2.1(A[0]) R1A3.1(A[0]) R1A4.1(A[0]) R1A5.1(A[0]) R1A6.1(A[0]) R1A14.1(A[0]) R1B8.1(A[0]) R1B14.1(A[0]) R1B23.1(A[0]) R1B24.1(A[0]) R1B31.1(A[0]) R1B32.1(A[0]) R2A17.1(A[0]) R2B32.1(A[0]) R2B33.1(A[0]) R2B34.1(A[0]) R2C1.1(A[0]) R2N2.1(A[0]) R2N20.1(A[0]) R2N21.1(A[0]) R3A20.1(A[0]) R3M10.1(A[0]) R36.1 R39.1 R10373.1(A[0]) R10388.1(A[0]) R10811.1(A[0]) R11130.2(B[0]) R11131.1(A[0]) R11261.2 R11264.1(A[0]) R11265.1(A[0]) R11439.2 R11497.2 R11499.2 R11507.1 U2A1.1(VCCA) U3.C6(VCCQ1) U3.M4(VCCQ2) U3.N4(VCCQ3) U3.P3(VCCQ4) U3.P5(VCCQ5) U3A6.1(VL) U3A7.C1(VCCA) U3C1.AM30(UNCORE_V1P8_S3_AM30) U3C1.AN32(UNCORE_V1P8_S3_AN32) U3C1.U38(MIPI_V1P8_S3) U16.5(VCC) U9002.5(VCC) U9004.7(VCCA) U9005.6(VCCB)
V1P8S_EN: Q1D1.3(G) R4P11.2(B[0]) U2B3.A13(V1P8S_EN)
V1P35_S: C2B17.1(A[0]) C3M22.1(A[0]) C3M23.1(A[0]) C3M25.1(A[0]) C3M28.1(A[0]) C3N6.1(A[0]) R2B36.2(B[0]) U2B3.A21(V1P35S) U3C1.AG18(ICLK_V1P35_S3_F2) U3C1.AJ19(ICLK_V1P35_S3_F1) U3C1.BD1(VGA_V1P35_S3_F1)
V3P3_A: C2A1.1(A[0]) C2A10.1(A[0]) C2B20.1(A[0]) C2B47.2(B[0]) C2B48.2(B[0]) C2B56.2(B[0]) C2M10.1(A[0]) C2M15.1(A[0]) C2M22.1(A[0]) C2N4.1(A[0]) C2N5.1(A[0]) C3A10.1(A[0]) C3A13.1(A[0]) C3A14.1(A[0]) C3A27.1(A[0]) C3A28.1(A[0]) C3B14.1(A[0]) C3B18.1(A[0]) C3M11.1(A[0]) C3M13.1(A[0]) C69.1 C2130.1(A[0]) C4662.1 J20.PC1 L2L1.2(INB) L3M4.2(INB) Q3A1.4(S) R1L2.1(A[0]) R1P17.1(A[0]) R2A1.2(B[0]) R2A3.2(B[0]) R2A5.1(A[0]) R2B6.1(A[0]) R2B8.1(A[0]) R2B12.1(A[0]) R2M25.1(A[0]) R2M28.1(A[0]) R2M37.1(A[0]) R2M42.2(B[0]) R2M46.1(A[0]) R2M47.1(A[0]) R2M48.2(B[0]) R2M49.1(A[0]) R2M50.1(A[0]) R2M51.1(A[0]) R2M52.2(B[0]) R2M53.1(A[0]) R2M54.1(A[0]) R2M55.2(B[0]) R2M56.1(A[0]) R2M57.1(A[0]) R2M61.1(A[0]) R3A5.1(A[0]) R3B3.1(A[0]) R3B17.2(B[0]) R1352.1 R1353.1 R1354.1 R1358.1 U2A1.8(VCCB) U2B3.A10(V3P3A_FB) U2B3.B7(VDD1GPIO) U2M2.10(VDD3P3_10) U2M2.27(VDD3P3_27) U2M2.41(VDD3P3_41) U2M2.51(VDD3P3_51) U2M2.64(VDD3P3_64) U3C1.N18(USB_V3P3_G3_N18) U3C1.N22(PCU_V3P3_G3) U3C1.P18(USB_V3P3_G3_P18) U7177.6(VCCB) U9003.8(VCC)
V3P3_A_DIF: U2B3.A25(V3P3A_DIF) U3A3.1(DIF) U3M1.1(DIF)
V3P3_A_DIO: U2B3.A26(V3P3_DIO) U3A3.12(DIO) U3M1.12(DIO)
V3P3_S: C1N7.1(A[0]) C2A11.1(A[0]) C2C12.1(A[0]) C3A12.1(A[0]) C3A24.1(A[0]) C3A26.1(A[0]) C3N12.1(A[0]) C3N16.2(A[0]) C7.1 C18.1 C27.1 C34.1 C39.1 C42.1 C140.1 C2152.1(A[0]) C4745.1 C4749.1 C4750.1 CN1.4(VDD) D1.1 J20.PC3 Q3A1.1(D1) Q3A1.2(D2) Q3A1.5(D3) Q3A1.6(D4) Q3A1.7(BOT_D) R1B29.1(A[0]) R1B30.1(A[0]) R2A14.1(A[0]) R3A17.1(A[0]) R3B16.1(A[0]) R3C1.1(A[0]) R10.2 R11.2 R12.2 R20.2 R21.2 R22.2 R620.2 R624.2 R625.1 R626.1 R10709.1(A[0]) R10781.1(A[0]) R10787.1(A[0]) R11160.1(A[0]) R11161.1(A[0]) R11222.1(A[0]) R11223.1(A[0]) R11275.1 R11376.2 R11381.1(A[0]) R11491.2 R11492.1 R11503.2 U3.E6(VCC1) U3.F5(VCC2) U3.J10(VCC3) U3.K9(VCC4) U3A5.5(VDD#5) U3A5.10(VDD#10) U3A5.19(VDD1) U3A5.24(VDD2) U3A6.6(VCC) U3A7.B2(VCCB) U3C1.AM27(LPC_V1P8V3P3_S3) U3C1.AN24(VGA_V3P3_S3) U3C1.AN27(SD3_V1P8V3P3_S3) U87.14(VCC) U304.8(VCC) U7157.14(V+) U9004.6(VCCB) U9005.1(VCCA)
V3P3S_EN: Q3A1.3(G) R3A5.2(B[0]) U2B3.A11(V3P3S_EN)
V5_A: C1B2.2(B[0]) C2B14.2(B[0]) C2B15.2(B[0]) C2L16.2(B[0]) C3L5.2(B[0]) C3L17.2(B[0]) C3M14.2(B[0]) C3M15.1(A[0]) C3M18.2(B[0]) C3M20.2(B[0]) C3M21.2(B[0]) C3M24.2(B[0]) C3M26.1(A[0]) C4L4.2(B[0]) C4L6.2(B[0]) C4P18.2(B[0]) R3L12.2(B[0]) R10809.1(A[0]) R11145.2(B[0]) R11154.1(A[0]) U1D1.11(VSYS) U2B1.11(VSYS) U2B3.A24(VSYS) U2B3.B5(V1P05S_VIN) U2B3.B6(V1P0A_VIN) U2B3.B28(VDDQ_VIN) U2B3.B29(VDDQ_VIN1) U2B3.B36(VNN_VIN) U2B3.B37(VNN_VIN1) U2B3.B39(VSYS1) U2B3.B41(VCC_VIN) U2B3.B42(VCC_VIN1) U3A3.11(VSYS) U3L1.11(VSYS) U3M1.11(VSYS) U3M2.11(VSYS) U4L1.11(VSYS) U4M1.11(VSYS) U4M3.11(VSYS)
V5_A_PGOOD: C4747.1(A[0]) Q138.G R10709.2(B[0]) R11382.2(B[0]) U2A2.3(PGOOD)
V12_A: C1A2.1(A[0]) C1A3.1(A[0]) C1A4.1(A[0]) C1A5.1(A[0]) C1B3.1(A[0]) C2A14.1(A[0]) C2A15.1(A[0]) C2B8.1(A[0]) C2B9.1(A[0]) C2B11.1(A[0]) C2B12.1(A[0]) C2B39.1(A[0]) C2B51.1(A[0]) C2B52.1(A[0]) C2B55.1(A[0]) C2L14.1(A[0]) C2L15.1(A[0]) C3L4.1(A[0]) C3L6.1(A[0]) C3L14.1(A[0]) C3L15.1(A[0]) C3L18.1(A[0]) C3L19.1(A[0]) C3L20.1(A[0]) C3L21.1(A[0]) C3L22.1(A[0]) C3L23.1(A[0]) C4L5.2(B[0]) C4M2.1(A[0]) C4M3.1(A[0]) C4M7.1(A[0]) C4P19.1(A[0]) C4P23.1(A[0]) J20.PC2 J20.PC4 R3L9.1(A[0]) U1D1.9(PVIN) U2A2.12(VIN_12) U2A2.13(VIN_13) U2A2.14(VIN_14) U2A2.15(VIN_15) U2A2.16(VIN_16) U2A2.17(VIN_17) U2A2.19(VDD) U2B1.9(PVIN) U3A3.9(PVIN) U3L1.9(PVIN) U3M1.9(PVIN) U3M2.9(PVIN) U4L1.9(PVIN) U4M1.9(PVIN) U4M3.9(PVIN)